# Altium PCB PCB1.PcbDoc (part 6 of 15)
Units mil, origin at the board's own origin, x right, y up, seen from the top; angles counter-clockwise.
Board outline 9210.27 x 4350.4 mil, 4 copper layers (Top Layer, Layer 1, Layer 2, Bottom Layer), stack 23.756 mil thick; 1550 components, 1731 nets, 5200 pads, 1882 vias.
Unrouted connection lines stored in the file: 605.
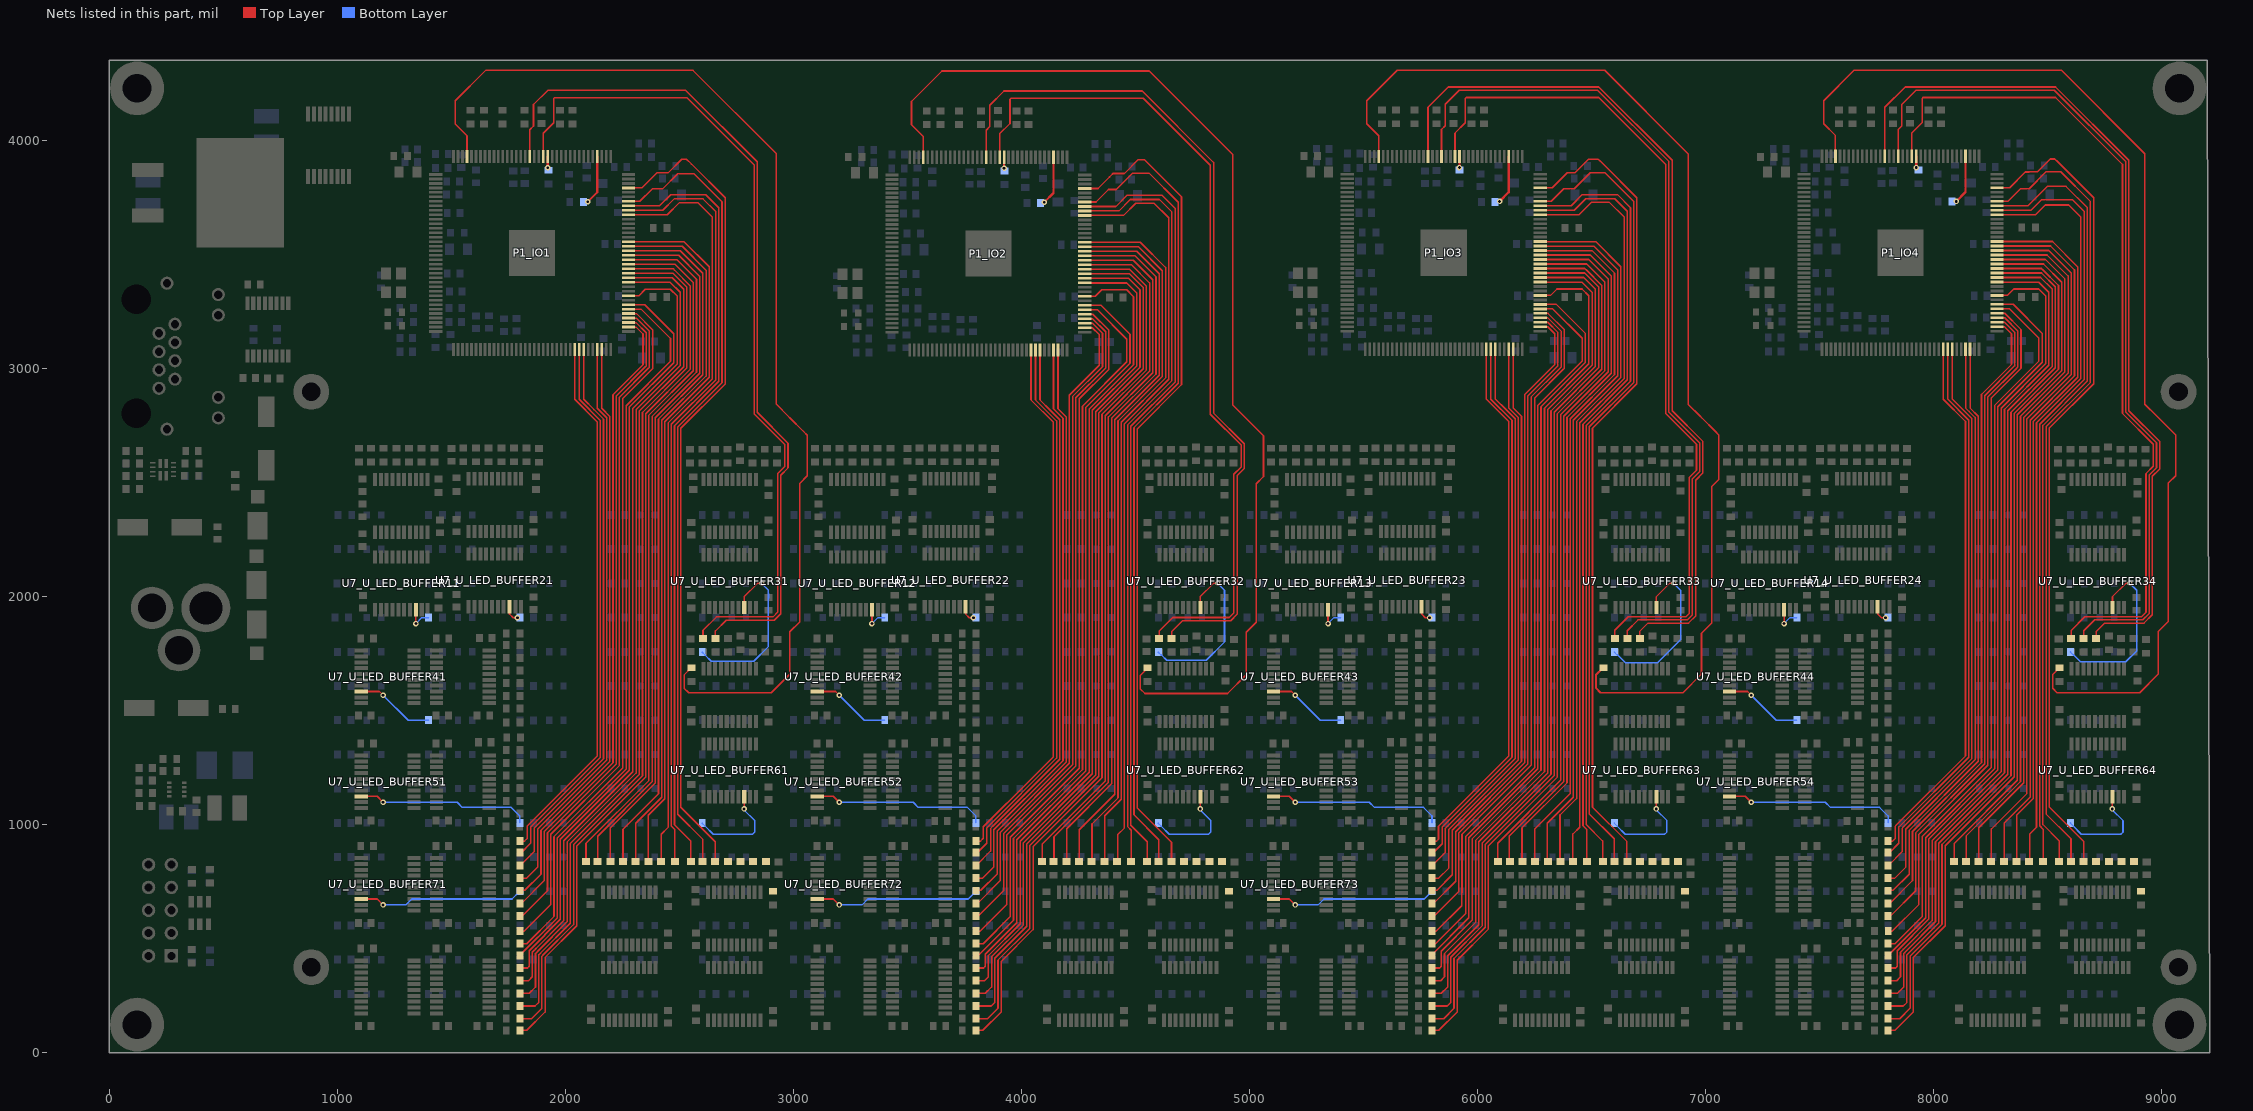
[diagram p8: the nets of this part, all layers, seen from the top]

## Via types
v1: diameter 24, hole 12, Top Layer to Bottom Layer, 1493 vias
v2: diameter 24, hole 12, Top Layer to Bottom Layer, tented both sides, 389 vias

## Nets (pads, with @x,y where several pads share a name; then routed paths per layer and width w, separated by ;. In a path a pad name is that pad's centre, name@x,y a point inside that pad or via, vN(x,y) a via of type N, cw(c..) or ccw(c..) an arc to the next point about the centre after c; other vN are vias at no path point) (continued)
GPIO_44_IO3: P1_IO3.130 R51_U_LED_BUFFER63.2 | length 3826.6
  Top Layer w7: P1_IO3.130@5783.2,3929.72 5783.2,4144.9 5872.31,4234.01 6532.23,4234.01 6853.58,3912.66 6853.58,2814.07 6988.63,2679.02 6988.63,2581.16 6988.63,2541.84 6956.63,2509.84 6956.63,2498.7 6956.63,1913.99 6925.67,1883.03 6747.63,1883.03 6710.85,1846.25 R51_U_LED_BUFFER63.2@6710.85,1816.9
GPIO_44_IO4: P1_IO4.130 R51_U_LED_BUFFER64.2 | length 3823.5
  Top Layer w7: P1_IO4.130@7786.2,3929.87 7786.2,4145.06 7875.31,4234.16 8535.23,4234.16 8856.58,3912.81 8856.58,2814.22 8991.63,2679.17 8991.63,2581.31 8991.63,2558.72 8959.63,2526.72 8959.63,1930.69 8959.63,1919.58 8923.23,1883.18 8912.12,1883.18 8750.63,1883.18 8713.85,1846.4 R51_U_LED_BUFFER64.2@8713.85,1817.05
GPIO_45_IO1: P1_IO1.127 R52_U_LED_BUFFER61.2 | length 3772.9
  Top Layer w7: P1_IO1.127@1844.26,3928.87 1844.26,4046.94 1860.33,4063.02 1860.33,4157.19 1922.31,4219.16 2528.43,4219.16 2841.58,3906.01 2841.58,2807.42 2976.63,2672.37 2976.63,2563.52 2944.63,2531.52 2944.63,1924.38 2916.43,1896.18 2705.63,1896.18 2658.26,1848.81 R52_U_LED_BUFFER61.2@2658.26,1816.05
GPIO_45_IO2: P1_IO2.127 R52_U_LED_BUFFER62.2 | length 3772.9
  Top Layer w7: P1_IO2.127@3845.36,3926.27 3845.36,4044.34 3861.43,4060.42 3861.43,4154.59 3923.41,4216.56 4529.53,4216.56 4842.68,3903.41 4842.68,2804.82 4977.73,2669.77 4977.73,2560.92 4945.73,2528.92 4945.73,1921.78 4917.53,1893.58 4706.73,1893.58 4659.36,1846.21 R52_U_LED_BUFFER62.2@4659.36,1813.45
GPIO_45_IO3: P1_IO3.127 R52_U_LED_BUFFER63.2 | length 3776.1
  Top Layer w7: P1_IO3.127@5842.26,3929.72 5842.26,4047.79 5858.33,4063.87 5858.33,4158.03 5920.31,4220.01 6526.43,4220.01 6839.58,3906.86 6839.58,2808.27 6974.63,2673.22 6974.63,2547.64 6942.63,2515.64 6942.63,2496.48 6942.63,1919.79 6919.87,1897.03 6703.63,1897.03 6656.26,1849.66 R52_U_LED_BUFFER63.2@6656.26,1816.9
GPIO_45_IO4: P1_IO4.127 R52_U_LED_BUFFER64.2 | length 3772.9
  Top Layer w7: P1_IO4.127@7845.26,3929.87 7845.26,4047.94 7861.33,4064.02 7861.33,4158.19 7923.31,4220.16 8529.43,4220.16 8842.58,3907.01 8842.58,2808.42 8977.63,2673.37 8977.63,2564.52 8945.63,2532.52 8945.63,1925.38 8917.43,1897.18 8706.63,1897.18 8659.26,1849.81 R52_U_LED_BUFFER64.2@8659.26,1817.05
GPIO_46_IO1: P1_IO1.124 R53_U_LED_BUFFER61.2 | length 3702.4
  Top Layer w7: P1_IO1.124@1903.31,3928.87 1903.31,4031.2 1948.83,4076.72 1948.83,4183.06 1952.93,4187.17 2533.71,4187.17 2827.58,3893.29 2827.58,2801.62 2962.63,2666.57 2962.63,2569.86 2930.63,2537.86 2930.63,1930.18 2910.63,1910.18 2662.63,1910.18 2603.66,1851.21 R53_U_LED_BUFFER61.2@2603.66,1816.05
GPIO_46_IO2: P1_IO2.124 R53_U_LED_BUFFER62.2 | length 3702.4
  Top Layer w7: P1_IO2.124@3904.41,3926.27 3904.41,4028.6 3949.93,4074.12 3949.93,4180.46 3954.03,4184.57 4534.81,4184.57 4828.68,3890.69 4828.68,2799.02 4963.73,2663.97 4963.73,2567.26 4931.73,2535.26 4931.73,1927.58 4911.73,1907.58 4663.73,1907.58 4604.76,1848.61 R53_U_LED_BUFFER62.2@4604.76,1813.45
GPIO_46_IO3: P1_IO3.124 R53_U_LED_BUFFER63.2 | length 3705.6
  Top Layer w7: P1_IO3.124@5901.31,3929.72 5901.31,4032.05 5946.83,4077.57 5946.83,4183.91 5950.93,4188.01 6531.71,4188.01 6825.58,3894.14 6825.58,2802.47 6960.63,2667.42 6960.63,2553.44 6928.63,2521.44 6928.63,2494.26 6928.63,1925.59 6914.07,1911.03 6660.63,1911.03 6601.66,1852.06 R53_U_LED_BUFFER63.2@6601.66,1816.9
GPIO_46_IO4: P1_IO4.124 R53_U_LED_BUFFER64.2 | length 3702.4
  Top Layer w7: P1_IO4.124@7904.31,3929.87 7904.31,4032.2 7949.83,4077.72 7949.83,4184.06 7953.93,4188.17 8534.71,4188.17 8828.58,3894.29 8828.58,2802.62 8963.63,2667.57 8963.63,2570.86 8931.63,2538.86 8931.63,1931.18 8911.63,1911.18 8663.63,1911.18 8604.66,1852.21 R53_U_LED_BUFFER64.2@8604.66,1817.05
GPIO_47_IO1: P1_IO1.141 R54_U_LED_BUFFER61.2 | length 4859.9
  Top Layer w7: P1_IO1.141@1568.66,3928.87 1568.66,4019.88 1516.96,4071.59 1516.96,4173.29 1650.36,4306.69 2559.7,4306.69 2925.58,3940.81 2925.58,2842.22 2978.98,2788.82 2984.43,2783.36 3044.23,2723.57 3060.63,2707.16 3060.63,2528.72 3028.63,2496.72 3028.63,1889.59 2984.43,1845.39 2984.43,1819.37 2984.42,1658.61 2902.98,1577.16 2540.63,1577.16 2520.63,1597.16 2520.63,1655.53 R54_U_LED_BUFFER61.2@2552.27,1687.16
GPIO_47_IO2: P1_IO2.141 R54_U_LED_BUFFER62.2 | length 4859.9
  Top Layer w7: P1_IO2.141@3569.76,3926.27 3569.76,4017.28 3518.06,4068.99 3518.06,4170.69 3651.46,4304.09 4560.8,4304.09 4926.68,3938.21 4926.68,2839.62 4980.08,2786.22 4985.53,2780.76 5045.33,2720.97 5061.73,2704.56 5061.73,2526.12 5029.73,2494.12 5029.73,1886.99 4985.53,1842.79 4985.53,1816.77 4985.52,1656.01 4904.08,1574.56 4541.73,1574.56 4521.73,1594.56 4521.73,1652.93 R54_U_LED_BUFFER62.2@4553.37,1684.56
GPIO_47_IO3: P1_IO3.141 R54_U_LED_BUFFER63.2 | length 4991.3
  Top Layer w7: P1_IO3.141@5566.66,3929.72 5566.66,4020.73 5514.96,4072.44 5514.96,4174.14 5648.36,4307.54 6557.7,4307.54 6923.58,3941.66 6923.58,2843.06 6976.98,2789.67 6982.43,2784.21 7042.23,2724.42 7058.63,2708.01 7058.63,2512.85 7026.63,2480.85 7026.63,1883 6982.43,1838.8 6982.43,1820.22 6982.42,1659.46 6900.98,1578.01 ; 6538.63,1578.01 6518.63,1598.01 6518.63,1656.38 R54_U_LED_BUFFER63.2@6550.27,1688.01 ; R54_U_LED_BUFFER63.2@6552.27,1687.16 6520.63,1655.53 6520.63,1597.16 6540.63,1577.16 6902.98,1577.16
GPIO_47_IO4: P1_IO4.141 R54_U_LED_BUFFER64.2 | length 4857.6
  Top Layer w7: P1_IO4.141@7569.66,3929.87 7569.66,4020.88 7517.96,4072.59 7517.96,4174.29 7651.36,4307.69 8560.7,4307.69 8926.58,3941.81 8926.58,2843.22 8979.98,2789.82 8985.43,2784.36 9045.23,2724.57 9061.63,2708.16 9061.63,2529.72 9029.63,2497.72 9029.63,1890.59 8985.43,1846.39 8985.43,1820.37 8985.42,1659.61 8903.98,1578.16 8541.63,1578.16 8522.74,1597.05 8522.74,1657.64 R54_U_LED_BUFFER64.2@8552.27,1687.16
GPIO_48_IO1: P1_IO1.76 R47_U_LED_BUFFER71.2 | length 2992
  Top Layer w7: R47_U_LED_BUFFER71.2@1801.15,532.39 1819.46,532.39 1935.8,648.74 1935.8,957.68 2237.2,1259.07 2237.2,1405.14 2237.2,2193.66 2237.2,2873.34 2361.78,2997.92 2368.63,3004.77 2368.63,3162.96 2310.92,3220.68 P1_IO1.76@2276.85,3220.68
GPIO_48_IO2: P1_IO2.76 R47_U_LED_BUFFER72.2 | length 2989.9
  Top Layer w7: R47_U_LED_BUFFER72.2@3801.15,532.39 3819.46,532.39 3935.8,648.74 3935.8,923.53 3936.08,923.81 3936.08,954.25 4238.3,1256.47 4238.3,1402.54 4238.3,2191.06 4238.3,2870.74 4362.88,2995.32 4369.73,3002.17 4369.73,3160.36 4312.02,3218.08 P1_IO2.76@4277.95,3218.08
GPIO_48_IO3: P1_IO3.76 R47_U_LED_BUFFER73.2 | length 2992.1
  Top Layer w7: R47_U_LED_BUFFER73.2@5801.15,532.39 5819.46,532.39 5931.13,644.06 5931.13,698.83 5932.08,699.79 5932.08,738.92 5932.22,739.06 5932.22,956.94 6235.2,1259.92 6235.2,1405.99 6235.2,2194.51 6235.2,2874.19 6359.78,2998.77 6366.63,3005.62 6366.63,3163.81 6308.92,3221.53 P1_IO3.76@6274.85,3221.53
GPIO_48_IO4: P1_IO4.76 R47_U_LED_BUFFER74.2 | length 2992
  Top Layer w7: R47_U_LED_BUFFER74.2@7801.15,532.39 7819.46,532.39 7935.8,648.74 7935.8,957.68 ; 7936.8,958.68 8238.2,1260.07 8238.2,1406.14 8238.2,2194.66 8238.2,2874.34 8362.78,2998.92 8369.63,3005.77 8369.63,3163.96 8311.92,3221.68 P1_IO4.76@8277.85,3221.68
GPIO_49_IO1: P1_IO1.75 R48_U_LED_BUFFER71.2 | length 2889.9
  Top Layer w7: R48_U_LED_BUFFER71.2@1800.63,598.28 1810.77,598.28 1921.8,709.31 1921.8,963.47 2223.2,1264.87 2223.2,1410.94 2223.2,2187.87 2223.2,2879.13 2350.93,3006.87 2354.63,3010.57 2354.63,3156.63 2310.27,3200.99 2286.8,3200.99 P1_IO1.75@2276.85,3200.99
GPIO_49_IO2: P1_IO2.75 R48_U_LED_BUFFER72.2 | length 2887.8
  Top Layer w7: R48_U_LED_BUFFER72.2@3800.63,598.28 3810.77,598.28 3921.8,709.31 3921.8,929.33 3922.08,929.61 3922.08,960.05 4224.3,1262.27 4224.3,1408.34 4224.3,2185.27 4224.3,2876.53 4352.03,3004.27 4355.73,3007.97 4355.73,3154.03 4311.37,3198.39 4287.9,3198.39 P1_IO2.75@4277.95,3198.39
GPIO_49_IO3: P1_IO3.75 R48_U_LED_BUFFER73.2 | length 2889.9
  Top Layer w7: R48_U_LED_BUFFER73.2@5800.63,598.28 5810.77,598.28 5918.08,705.59 5918.08,744.72 5918.22,744.86 5918.22,962.74 6221.2,1265.72 6221.2,1411.79 6221.2,2188.71 6221.2,2879.98 6348.93,3007.72 6352.63,3011.42 6352.63,3157.48 6308.27,3201.84 6284.8,3201.84 P1_IO3.75@6274.85,3201.84
GPIO_49_IO4: P1_IO4.75 R48_U_LED_BUFFER74.2 | length 2889.9
  Top Layer w7: R48_U_LED_BUFFER74.2@7800.63,598.28 7810.77,598.28 7921.8,709.31 7921.8,963.47 ; 7922.8,964.47 8224.2,1265.87 8224.2,1411.94 8224.2,2188.87 8224.2,2880.13 8351.93,3007.87 8355.63,3011.57 8355.63,3157.63 8311.27,3201.99 8287.8,3201.99 P1_IO4.75@8277.85,3201.99
GPIO_50_IO1: P1_IO1.74 R49_U_LED_BUFFER71.2 | length 2801
  Top Layer w7: R49_U_LED_BUFFER71.2@1800.63,653.83 1807.4,653.83 1907.52,753.95 1907.52,968.99 2209.2,1270.67 2209.2,1416.74 2209.2,2182.07 2209.2,2884.93 2340.63,3016.37 2340.63,3150.83 2310.16,3181.31 P1_IO1.74@2276.85,3181.31
GPIO_50_IO2: P1_IO2.74 R49_U_LED_BUFFER72.2 | length 2798.9
  Top Layer w7: R49_U_LED_BUFFER72.2@3800.63,653.83 3807.4,653.83 3907.52,753.95 3907.52,965.29 4210.3,1268.07 4210.3,1414.14 4210.3,2179.47 4210.3,2882.33 4341.73,3013.77 4341.73,3148.23 4311.26,3178.71 P1_IO2.74@4277.95,3178.71
GPIO_50_IO3: P1_IO3.74 R49_U_LED_BUFFER73.2 | length 2801.1
  Top Layer w7: R49_U_LED_BUFFER73.2@5800.63,653.83 5807.4,653.83 5904.22,750.66 5904.22,968.54 6207.2,1271.52 6207.2,1417.59 6207.2,2182.92 6207.2,2885.78 6338.63,3017.22 6338.63,3151.68 6308.16,3182.16 P1_IO3.74@6274.85,3182.16
GPIO_50_IO4: P1_IO4.74 R49_U_LED_BUFFER74.2 | length 2801
  Top Layer w7: R49_U_LED_BUFFER74.2@7800.63,653.83 7807.4,653.83 7907.52,753.95 7907.52,968.99 ; 7908.52,969.99 8210.2,1271.67 8210.2,1417.74 8210.2,2183.07 8210.2,2885.93 8341.63,3017.37 8341.63,3151.83 8311.16,3182.31 P1_IO4.74@8277.85,3182.31
GPIO_51_IO1: P1_IO1.70 R50_U_LED_BUFFER71.2 | length 2563.8
  Top Layer w7: R50_U_LED_BUFFER71.2@1800.63,709.39 1802.35,711.1 1822.03,711.1 1893.23,782.3 1893.23,974.5 2195.2,1276.46 2195.2,1422.54 2195.2,2176.27 2195.2,2789.4 2159.22,2825.38 P1_IO1.70@2159.22,3083.35
GPIO_51_IO2: P1_IO2.70 R50_U_LED_BUFFER72.2 | length 2561.7
  Top Layer w7: R50_U_LED_BUFFER72.2@3800.63,709.39 3802.35,711.1 3822.03,711.1 3893.23,782.3 3893.23,970.8 4196.3,1273.86 4196.3,1419.94 4196.3,2173.67 4196.3,2786.8 4160.32,2822.78 P1_IO2.70@4160.32,3080.75
GPIO_51_IO3: P1_IO3.70 R50_U_LED_BUFFER73.2 | length 2563.9
  Top Layer w7: R50_U_LED_BUFFER73.2@5800.63,709.39 5802.35,711.1 5822.03,711.1 5889.96,779.03 5889.96,974.07 6193.2,1277.31 6193.2,1423.39 6193.2,2177.12 6193.2,2790.25 6157.22,2826.23 P1_IO3.70@6157.22,3084.2
GPIO_51_IO4: P1_IO4.70 R50_U_LED_BUFFER74.2 | length 2563.8
  Top Layer w7: R50_U_LED_BUFFER74.2@7800.63,709.39 7802.35,711.1 7822.03,711.1 7893.23,782.3 7893.23,974.5 ; 7894.23,975.5 8196.2,1277.46 8196.2,1423.54 8196.2,2177.27 8196.2,2790.4 8160.22,2826.38 P1_IO4.70@8160.22,3084.35
GPIO_52_IO1: P1_IO1.69 R51_U_LED_BUFFER71.2 | length 2510.8
  Top Layer w7: R51_U_LED_BUFFER71.2@1800.63,764.94 1830.51,764.94 1878.94,813.37 1878.94,980.01 2154.87,1255.94 ; P1_IO1.69@2139.53,3083.35 2139.53,2825.26 2154.87,2809.92 2181.2,2783.6 2181.2,2170.47 2181.2,1429.51 2181.2,1428.34 2181.2,1282.26 2154.87,1255.94
GPIO_52_IO2: P1_IO2.69 R51_U_LED_BUFFER72.2 | length 2508.7
  Top Layer w7: R51_U_LED_BUFFER72.2@3800.63,764.94 3830.51,764.94 3878.94,813.37 3878.94,976.31 4155.97,1253.34 ; P1_IO2.69@4140.63,3080.75 4140.63,2822.66 4155.97,2807.32 4182.3,2781 4182.3,2167.87 4182.3,1426.91 4182.3,1425.74 4182.3,1279.66 4155.97,1253.34
GPIO_52_IO3: P1_IO3.69 R51_U_LED_BUFFER73.2 | length 2510.8
  Top Layer w7: R51_U_LED_BUFFER73.2@5800.63,764.94 5830.51,764.94 5874.87,809.31 5874.87,978.79 6152.87,1256.79 6179.2,1283.11 6179.2,1429.18 6179.2,1430.36 6179.2,2171.32 6179.2,2784.45 6152.87,2810.77 6137.53,2826.11 P1_IO3.69@6137.53,3084.2
GPIO_52_IO4: P1_IO4.69 R51_U_LED_BUFFER74.2 | length 2510.8
  Top Layer w7: R51_U_LED_BUFFER74.2@7800.63,764.94 7830.51,764.94 7878.94,813.37 7878.94,980.01 ; 7879.94,981.01 8155.87,1256.94 ; P1_IO4.69@8140.53,3084.35 8140.53,2826.26 8155.87,2810.92 8182.2,2784.6 8182.2,2171.47 8182.2,1430.51 8182.2,1429.34 8182.2,1283.26 8155.87,1256.94
GPIO_53_IO1: P1_IO1.66 R52_U_LED_BUFFER71.2 | length 2451.5
  Top Layer w7: R52_U_LED_BUFFER71.2@1800.63,820.5 1802.07,820.5 1863.22,881.66 1863.22,984.09 2167.2,1288.06 2167.2,1434.13 2167.2,1435.31 2167.2,2164.67 2167.2,2755.69 2167.2,2777.8 2125.53,2819.47 2080.48,2864.52 P1_IO1.66@2080.48,3083.35
GPIO_53_IO2: P1_IO2.66 R52_U_LED_BUFFER72.2 | length 2449.3
  Top Layer w7: R52_U_LED_BUFFER72.2@3800.63,820.5 3802.07,820.5 3864.94,883.37 3864.94,982.11 3878.94,996.11 4168.3,1285.46 4168.3,1431.53 4168.3,1432.71 4168.3,2162.07 4168.3,2753.09 4168.3,2775.2 4126.63,2816.86 4081.58,2861.92 P1_IO2.66@4081.58,3080.75
GPIO_53_IO3: P1_IO3.66 R52_U_LED_BUFFER73.2 | length 2451.5
  Top Layer w7: R52_U_LED_BUFFER73.2@5800.63,820.5 5802.07,820.5 5859.38,877.82 5859.38,983.1 6165.2,1288.91 6165.2,1434.98 6165.2,1436.16 6165.2,2165.52 6165.2,2756.54 6165.2,2778.65 6123.53,2820.31 6078.48,2865.37 P1_IO3.66@6078.48,3084.2
GPIO_53_IO4: P1_IO4.66 R52_U_LED_BUFFER74.2 | length 2451.5
  Top Layer w7: R52_U_LED_BUFFER74.2@7800.63,820.5 7802.07,820.5 7863.22,881.66 7863.22,984.09 ; 7864.22,985.09 8168.2,1289.06 8168.2,1435.13 8168.2,1436.31 8168.2,2165.67 8168.2,2756.69 8168.2,2778.8 8126.53,2820.47 8081.48,2865.52 P1_IO4.66@8081.48,3084.35
GPIO_54_IO1: P1_IO1.65 R53_U_LED_BUFFER71.2 | length 2395
  Top Layer w7: R53_U_LED_BUFFER71.2@1800.63,876.05 1806.4,876.05 1847.51,917.16 1847.51,988.17 2153.2,1293.86 2153.2,1439.93 2153.2,1441.11 2153.2,2158.87 2153.2,2772 2060.79,2864.41 P1_IO1.65@2060.79,3083.35
GPIO_54_IO2: P1_IO2.65 R53_U_LED_BUFFER72.2 | length 2392.8
  Top Layer w7: R53_U_LED_BUFFER72.2@3800.63,876.05 3806.4,876.05 3847.51,917.16 3847.51,984.47 4154.3,1291.26 4154.3,1437.33 4154.3,1438.51 4154.3,2156.27 4154.3,2769.4 4061.89,2861.81 P1_IO2.65@4061.89,3080.75
GPIO_54_IO3: P1_IO3.65 R53_U_LED_BUFFER73.2 | length 2395
  Top Layer w7: R53_U_LED_BUFFER73.2@5800.63,876.05 5806.4,876.05 5845.38,915.04 5845.38,988.9 5845.53,989.04 5847.56,991.08 6151.2,1294.71 6151.2,1440.78 6151.2,1441.96 6151.2,2159.72 6151.2,2772.85 6058.79,2865.26 P1_IO3.65@6058.79,3084.2
GPIO_54_IO4: P1_IO4.65 R53_U_LED_BUFFER74.2 | length 2395
  Top Layer w7: R53_U_LED_BUFFER74.2@7800.63,876.05 7806.4,876.05 7847.51,917.16 7847.51,988.17 ; 7848.51,989.17 8154.2,1294.86 8154.2,1440.93 8154.2,1442.11 8154.2,2159.87 8154.2,2773 8061.79,2865.41 P1_IO4.65@8061.79,3084.35
GPIO_55_IO1: P1_IO1.64 R54_U_LED_BUFFER71.2 | length 2348.8
  Top Layer w7: R54_U_LED_BUFFER71.2@1800.63,927.16 1820.73,927.16 1832.51,938.94 1832.51,992.97 2139.2,1299.66 2139.2,1445.73 2139.2,1446.91 2139.2,2153.07 2139.2,2754.28 2139.2,2766.2 2041.11,2864.29 P1_IO1.64@2041.11,3083.35
GPIO_55_IO2: P1_IO2.64 R54_U_LED_BUFFER72.2 | length 2346.7
  Top Layer w7: R54_U_LED_BUFFER72.2@3800.63,927.16 3820.73,927.16 3833.26,939.69 3833.26,990.02 4042,1198.76 4140.3,1297.06 4140.3,1443.13 4140.3,1444.31 4140.3,2150.47 4140.3,2751.68 4140.3,2763.6 4042.21,2861.69 P1_IO2.64@4042.21,3080.75
GPIO_55_IO3: P1_IO3.64 R54_U_LED_BUFFER73.2 | length 2348.9
  Top Layer w7: R54_U_LED_BUFFER73.2@5800.63,927.16 5820.73,927.16 5829.22,935.65 5829.22,992.53 5834.11,997.43 6137.2,1300.51 6137.2,1446.58 6137.2,1447.76 6137.2,2153.92 6137.2,2755.13 6137.2,2767.05 6039.11,2865.14 P1_IO3.64@6039.11,3084.2
GPIO_55_IO4: P1_IO4.64 R54_U_LED_BUFFER74.2 | length 2348.8
  Top Layer w7: R54_U_LED_BUFFER74.2@7800.63,927.16 7820.73,927.16 7832.51,938.94 7832.51,992.97 ; 7833.51,993.97 8140.2,1300.66 8140.2,1446.73 8140.2,1447.91 8140.2,2154.07 8140.2,2755.28 8140.2,2767.2 8042.11,2865.29 P1_IO4.64@8042.11,3084.35
GPIO_56_IO1: P1_IO1.87 R47_U_LED_BUFFER81.2 | length 3893.4
  Top Layer w7: R47_U_LED_BUFFER81.2@1800.63,97.16 1830.63,97.16 1911.22,177.75 1911.22,416.58 2050.08,555.44 2050.08,905.44 2352.46,1207.81 2352.46,2801.12 2546.97,2995.63 2546.97,3362.96 2478.41,3431.53 2472.73,3437.21 P1_IO1.87@2276.85,3437.21
GPIO_56_IO2: P1_IO2.87 R47_U_LED_BUFFER82.2 | length 3891.2
  Top Layer w7: R47_U_LED_BUFFER82.2@3800.63,97.16 3830.63,97.16 3911.22,177.75 3911.22,399.41 4051.18,539.37 4051.18,902.84 4353.56,1205.21 4353.56,2798.52 4548.07,2993.03 4548.07,3360.36 4479.51,3428.93 4473.83,3434.61 P1_IO2.87@4277.95,3434.61
GPIO_56_IO3: P1_IO3.87 R47_U_LED_BUFFER83.2 | length 3893.4
  Top Layer w7: R47_U_LED_BUFFER83.2@5800.63,97.16 5830.63,97.16 5911.22,177.75 5911.22,404.92 6048.08,541.79 6048.08,906.29 6350.46,1208.66 6350.46,2801.97 6544.97,2996.48 6544.97,3363.81 6476.41,3432.38 6470.73,3438.06 P1_IO3.87@6274.85,3438.06
GPIO_56_IO4: P1_IO4.87 R47_U_LED_BUFFER84.2 | length 3893.4
  Top Layer w7: R47_U_LED_BUFFER84.2@7800.63,97.16 7830.63,97.16 7911.22,177.75 7911.22,416.58 ; 7912.22,417.58 8051.08,556.44 8051.08,906.44 8353.46,1208.81 8353.46,2802.12 8547.97,2996.63 8547.97,3363.96 8479.41,3432.53 8473.73,3438.21 P1_IO4.87@8277.85,3438.21
GPIO_57_IO1: P1_IO1.86 R48_U_LED_BUFFER81.2 | length 3823.3
  Top Layer w7: R48_U_LED_BUFFER81.2@1800.63,148.28 1851.74,148.28 1897.22,193.75 1897.22,422.38 1901.32,426.48 2036.08,561.24 2036.08,911.24 2338.46,1213.61 2338.46,2806.92 2532.97,3001.43 2532.97,3357.16 2472.61,3417.53 P1_IO1.86@2276.85,3417.53
GPIO_57_IO2: P1_IO2.86 R48_U_LED_BUFFER82.2 | length 3821.2
  Top Layer w7: R48_U_LED_BUFFER82.2@3800.63,148.28 3851.74,148.28 3897.22,193.75 3897.22,400.35 3897.22,405.21 4037.18,545.17 4037.18,908.64 4339.56,1211.01 4339.56,2804.32 4534.07,2998.83 4534.07,3354.56 4473.71,3414.93 P1_IO2.86@4277.95,3414.93
GPIO_57_IO3: P1_IO3.86 R48_U_LED_BUFFER83.2 | length 3823.3
  Top Layer w7: R48_U_LED_BUFFER83.2@5800.63,148.28 5851.74,148.28 5897.22,193.75 5897.22,412.38 6034.08,549.24 6034.08,912.09 6336.46,1214.46 6336.46,2807.77 6530.97,3002.28 6530.97,3358.01 6470.61,3418.38 P1_IO3.86@6274.85,3418.38
GPIO_57_IO4: P1_IO4.86 R48_U_LED_BUFFER84.2 | length 3823.3
  Top Layer w7: R48_U_LED_BUFFER84.2@7800.63,148.28 7851.74,148.28 7897.22,193.75 7897.22,422.38 7901.32,426.48 ; 7902.32,427.48 8037.08,562.24 8037.08,912.24 8339.46,1214.61 8339.46,2807.92 8533.97,3002.43 8533.97,3358.16 8473.61,3418.53 P1_IO4.86@8277.85,3418.53
GPIO_58_IO1: P1_IO1.85 R49_U_LED_BUFFER81.2 | length 3743
  Top Layer w7: R49_U_LED_BUFFER81.2@1800.63,203.83 1867.3,203.83 1883.22,219.75 1883.22,428.17 1887.32,432.27 1891.42,436.38 2022.08,567.04 2022.08,917.04 2324.46,1219.41 2324.46,2812.72 2518.97,3007.23 2518.97,3347.16 2468.3,3397.84 P1_IO1.85@2276.85,3397.84
GPIO_58_IO2: P1_IO2.85 R49_U_LED_BUFFER82.2 | length 3740.9
  Top Layer w7: R49_U_LED_BUFFER82.2@3800.63,203.83 3867.3,203.83 3883.22,219.75 3883.22,413.88 4023.18,553.84 4023.18,914.44 4325.56,1216.81 4325.56,2810.12 4520.07,3004.63 4520.07,3344.56 4469.4,3395.24 P1_IO2.85@4277.95,3395.24
GPIO_58_IO3: P1_IO3.85 R49_U_LED_BUFFER83.2 | length 3740.7
  Top Layer w7: R49_U_LED_BUFFER83.2@5800.63,203.83 5867.3,203.83 5883.22,219.75 5883.22,418.18 6020.08,555.04 6020.08,565.57 ; 6020.08,567.89 6020.08,917.89 6322.46,1220.26 6322.46,2813.57 6516.97,3008.08 6516.97,3348.01 6466.3,3398.69 P1_IO3.85@6274.85,3398.69
GPIO_58_IO4: P1_IO4.85 R49_U_LED_BUFFER84.2 | length 3743
  Top Layer w7: R49_U_LED_BUFFER84.2@7800.63,203.83 7867.3,203.83 7883.22,219.75 7883.22,428.17 7887.32,432.27 7891.42,436.38 ; 7892.42,437.38 8023.08,568.04 8023.08,918.04 8325.46,1220.41 8325.46,2813.72 8519.97,3008.23 8519.97,3348.16 8469.3,3398.84 P1_IO4.85@8277.85,3398.84
GPIO_59_IO1: P1_IO1.84 R50_U_LED_BUFFER81.2 | length 3635.5
  Top Layer w7: R50_U_LED_BUFFER81.2@1800.63,259.39 1841.44,259.39 1869.22,287.16 1869.22,433.97 1873.32,438.07 1877.42,442.17 1881.26,446.01 1881.26,446.54 2007.71,572.99 2007.71,922.99 2310.08,1225.37 2310.08,2818.67 2504.44,3013.03 2504.44,3333.35 2460.63,3377.16 2277.85,3377.16 P1_IO1.84@2276.85,3378.16
GPIO_59_IO2: P1_IO2.84 R50_U_LED_BUFFER82.2 | length 3633.4
  Top Layer w7: R50_U_LED_BUFFER82.2@3800.63,259.39 3841.44,259.39 3869.22,287.16 3869.22,415.79 3869.22,419.68 4008.81,559.27 4008.81,920.39 4311.18,1222.77 4311.18,2816.07 4505.54,3010.43 4505.54,3330.75 4461.73,3374.56 4278.95,3374.56 P1_IO2.84@4277.95,3375.56
GPIO_59_IO3: P1_IO3.84 R50_U_LED_BUFFER83.2 | length 3635.6
  Top Layer w7: R50_U_LED_BUFFER83.2@5800.63,259.39 5841.44,259.39 5869.22,287.16 5869.22,423.98 6005.71,560.47 6005.71,923.84 6308.08,1226.22 6308.08,2819.52 6502.44,3013.88 6502.44,3334.2 6458.63,3378.01 6275.85,3378.01 P1_IO3.84@6274.85,3379.01
GPIO_59_IO4: P1_IO4.84 R50_U_LED_BUFFER84.2 | length 3635.5
  Top Layer w7: R50_U_LED_BUFFER84.2@7800.63,259.39 7841.44,259.39 7869.22,287.16 7869.22,433.97 7873.32,438.07 7877.42,442.17 7881.26,446.01 7881.26,446.54 8007.71,572.99 ; 8008.71,573.99 8008.71,923.99 8311.08,1226.37 8311.08,2819.67 8505.44,3014.03 8505.44,3334.35 8461.63,3378.16 8278.85,3378.16 P1_IO4.84@8277.85,3379.16
GPIO_60_IO1: P1_IO1.81 R51_U_LED_BUFFER81.2 | length 3547.7
  Top Layer w7: R51_U_LED_BUFFER81.2@1800.63,314.94 1838.41,314.94 1855.22,331.75 1855.22,439.77 1859.32,443.87 1863.42,447.97 1867.26,451.81 1867.26,452.34 1871.21,456.29 1871.21,456.58 1993.5,578.88 1993.5,928.88 2295.88,1231.25 2295.88,2824.55 2490.4,3019.07 2490.4,3317.16 2460.4,3347.16 2350.63,3347.16 2322.57,3319.1 P1_IO1.81@2276.85,3319.1